# Altium PCB BLE-T3.PcbDoc (part 2 of 3)
Units mm, origin at the board's own origin, x right, y up, seen from the top; angles counter-clockwise.
Board outline 284.81 x 94.3 mm, 2 copper layers (Component Side, Bottom Layer), stack 1.571 mm thick; 182 components, 112 nets, 814 pads, 190 vias.
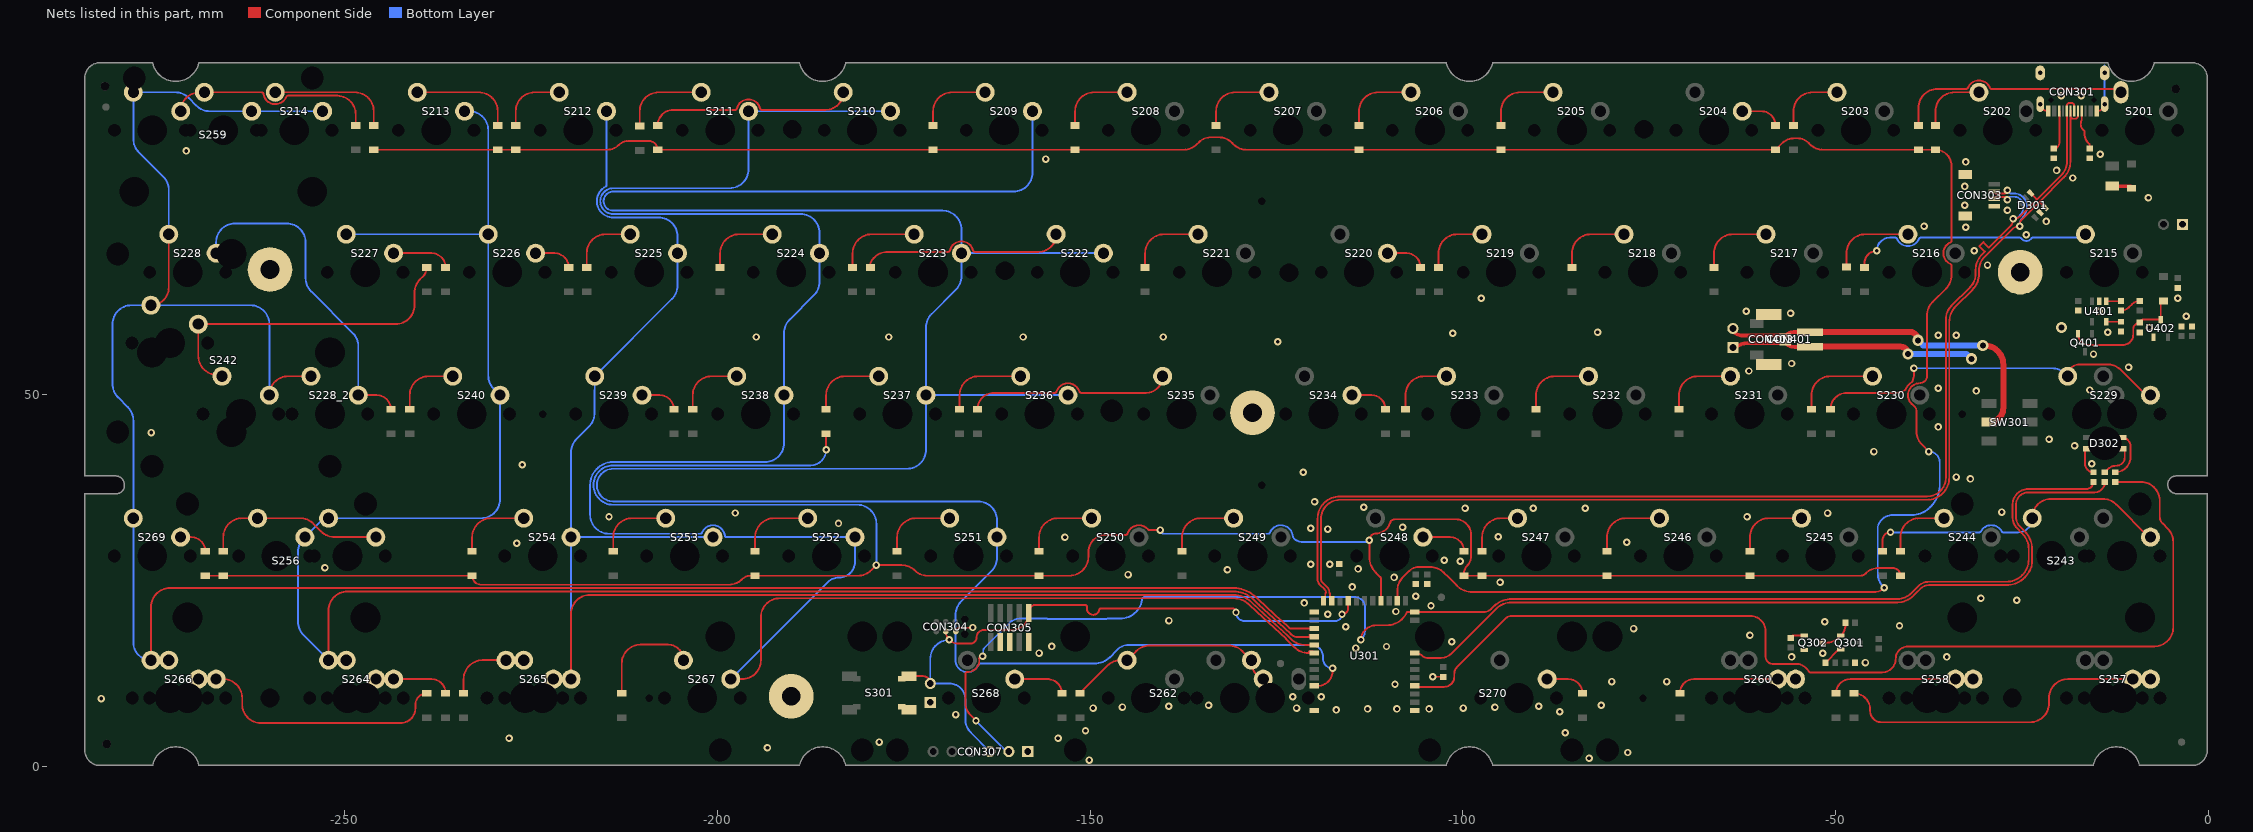
[diagram p2: the nets of this part, all layers, seen from the top]

## Via types
v1: diameter 1, hole 0.5, Component Side to Bottom Layer, tented both sides, 183 vias
v2: diameter 1.5, hole 0.8, Component Side to Bottom Layer, tented both sides, 5 vias
v3: diameter 1.5, hole 0.75, Component Side to Bottom Layer, tented both sides, 2 vias

## Nets (pads, with @x,y where several pads share a name; then routed paths per layer and width w, separated by ;. In a path a pad name is that pad's centre, name@x,y a point inside that pad or via, vN(x,y) a via of type N, cw(c..) or ccw(c..) an arc to the next point about the centre after c; other vN are vias at no path point) (continued)
col7: S209.2 S222.2 S223.2 S236.2 S237.2 S251.2 U301.34 | length 369.9
  Component Side w0.254: U301.34@-119.93,10.85 -119.452,10.85 ccw(c-119.452,12.827) v1@-117.475,12.827
  Bottom Layer w0.254: S209.2@-157.74,87.955 -157.74,79.711 cw(c-160.28,79.711) -160.28,77.171 -214,77.171 ccw(c-214,75.89) -214,74.609 -169.805,74.609 cw(c-169.805,72.069) -167.265,72.069 S223.2@-167.265,68.905 ; S236.2@-152.977,49.855 S237.2@-172.027,49.855 ; S222.2@-148.215,68.905 S223.2@-167.265,68.905 ; -128.464,16.344 cw(c-128.475,16.597) -128.475,16.343 -144.838,16.343 ccw(c-144.838,14.257) -146.313,15.732 -146.336,15.709 ccw(c-146.156,15.529) -146.365,15.674 ccw(c-144.673,13.78) -146.469,15.576 -147.326,14.719 cw(c-149.444,16.835) -149.444,13.841 -164.76,13.841 ccw(c-164.761,13.587) -164.995,13.684 cw(c-166.471,14.295) -168.054,14.507 -168.054,20.378 cw(c-165.514,20.378) -167.31,22.174 -163.246,26.238 ccw(c-165.042,28.034) -162.502,28.034 S251.2@-162.502,30.805 -162.502,33.061 ccw(c-165.042,33.061) -165.042,35.601 -214,35.601 cw(c-214,37.79) -214,39.979 -181.483,39.979 -174.567,39.979 ccw(c-174.567,42.519) -174.566,39.979 ccw(c-174.567,42.519) -173.408,40.259 ccw(c-174.567,42.519) -172.027,42.519 S237.2@-172.027,49.855 ; -128.463,16.344 cw(c-128.363,14.295) -128.264,16.344 ccw(c-128.251,16.597) -128.262,16.344 ; -128.261,16.343 ccw(c-128.251,16.597) -128.251,16.343 -126.238,16.343 -120.356,16.343 cw(c-120.356,14.732) -118.745,14.732 -118.745,14.478 ccw(c-117.475,14.478) v1(-117.475,13.208) ; S237.2@-172.027,49.855 -172.027,58.949 cw(c-169.487,58.949) -171.284,60.745 -168.009,64.02 ccw(c-169.805,65.816) -167.265,65.816 S223.2@-167.265,68.905
col8: S210.2 S211.2 S224.2 S238.2 S252.2 S267.2 U301.30 | length 299.7
  Component Side w0.254: S267.2@-198.221,11.755 -196.723,11.755 ccw(c-196.723,14.295) -194.183,14.295 -194.183,20.066 cw(c-191.643,20.066) -191.643,22.606 -131.1,22.606 cw(c-131.1,22.352) -131.095,22.606 -130.72,22.6 cw(c-130.767,19.606) -128.953,21.988 cw(c-130.767,19.606) -128.728,21.798 -127.667,20.814 -123.715,17.155 cw(c-126.056,14.624) -123.616,17.06 -122.55,15.994 ccw(c-120.754,17.79) -120.754,15.25 U301.30@-119.93,15.25 -120.153,15.473 -120.629,15.473
  Bottom Layer w0.254: S267.2@-198.221,11.755 -185.236,24.74 cw(c-183.642,23.145) -183.642,25.4 ccw(c-183.642,27.49) -181.552,27.49 S252.2@-181.552,30.805 -198.769,30.805 cw(c-198.769,31.059) -199.02,31.024 ccw(c-200.602,30.805) -202.078,31.416 cw(c-202.312,31.513) -202.312,31.259 -204.724,31.259 -214.552,31.259 cw(c-214.552,33.799) -217.092,33.799 -217.092,37.603 ccw(c-217.346,37.604) -217.092,37.618 cw(c-214,37.79) -217.047,38.344 cw(c-214,37.79) -217.047,38.345 cw(c-214,37.79) -216.427,39.714 cw(c-214,37.79) -216.426,39.716 cw(c-214,37.79) -215.241,40.628 ccw(c-215.343,40.86) -215.239,40.628 ccw(c-215.343,40.86) -215.232,40.632 cw(c-214.122,38.347) -214.122,40.887 -213.614,40.887 -210.185,40.887 -193.617,40.887 ccw(c-193.617,43.427) -191.077,43.427 S238.2@-191.077,49.855 -191.077,58.187 cw(c-188.537,58.187) -190.334,59.983 -187.059,63.258 ccw(c-188.855,65.054) -186.315,65.054 S224.2@-186.315,68.905 -186.315,71.615 ccw(c-188.855,71.615) -188.855,74.155 -214,74.155 cw(c-214,75.89) -214,77.625 -198.38,77.625 ccw(c-198.38,80.165) -195.84,80.165 S211.2@-195.84,87.955 S210.2@-176.79,87.955
col9: S212.2 S225.2 S239.2 S253.2 S254.2 S265.1 U301.29 | length 222.5
  Component Side w0.254: S265.1@-219.652,11.755 -219.652,20.52 cw(c-217.112,20.52) -217.112,23.06 -131.1,23.06 cw(c-131.1,22.352) -131.087,23.06 -130.712,23.054 cw(c-130.767,19.606) -129.184,22.669 cw(c-130.767,19.606) -128.42,22.132 -125.705,19.616 -124.056,18.089 -123.407,17.489 cw(c-126.056,14.624) -123.295,17.381 -123.008,17.094 ccw(c-121.212,18.89) -121.212,16.35 U301.29@-119.93,16.35 U301.29@-119.971,16.391
  Bottom Layer w0.254: S265.1@-219.652,11.755 S254.2@-219.652,30.805 ; S212.2@-214.89,87.955 -214.89,78.05 cw(c-215.144,78.049) -215.025,77.824 ccw(c-214,75.89) -214,73.701 -207.905,73.701 cw(c-207.905,71.161) -205.365,71.161 S225.2@-205.365,68.905 -205.365,64.56 cw(c-207.905,64.56) -206.109,62.764 S239.2@-216.477,52.395 -216.52,48.895 -216.52,47.422 cw(c-219.06,47.422) -216.543,47.087 cw(c-219.06,47.422) -217.264,45.626 -218.908,43.982 ccw(c-217.112,42.186) -219.652,42.186 S254.2@-219.652,30.805 ; S253.2@-200.602,30.805 S254.2@-219.652,30.805
col10: S213.2 S226.2 S227.2 S240.2 S256.2 S264.2 U301.28 | length 264.1
  Component Side w0.254: S264.2@-252.19,14.295 -252.19,20.974 cw(c-249.65,20.974) -249.65,23.514 -130.484,23.514 cw(c-130.484,23.26) -130.439,23.51 -130.096,23.45 cw(c-130.767,19.606) -128.112,22.466 -127.351,21.76 -124.707,19.311 ccw(c-124.526,19.489) -124.698,19.302 -123.1,17.823 cw(c-126.056,14.624) -122.974,17.702 ccw(c-122.256,18.419) -122.256,17.405 -120.04,17.405 ccw(c-120.04,17.56) U301.28@-119.93,17.45 -120.33,17.45 U301.28@-120.553,17.673
  Bottom Layer w0.254: S264.2@-252.19,14.295 -255.542,17.647 cw(c-253.746,19.443) -256.286,19.443 -256.286,28.864 cw(c-253.746,28.864) -255.542,30.66 -255.397,30.805 -253.306,32.896 cw(c-252.222,31.812) -252.222,33.345 -231.717,33.345 ccw(c-231.717,35.885) -229.177,35.885 S240.2@-229.177,49.855 -230.021,50.699 cw(c-228.225,52.495) -230.765,52.495 S226.2@-230.765,71.445 ; S227.2@-249.815,71.445 S226.2@-230.765,71.445 ; S213.2@-233.94,87.955 -233.305,87.955 cw(c-233.305,85.415) -230.765,85.415 S226.2@-230.765,71.445
col11: S214.2 S228.2 S228_2.2 S242.2 S259.2 S266.2 S269.2 U301.27 | length 313.5
  Component Side w0.254: S242.2@-276.02,61.925 ccw(c-276.02,64.318) -273.627,64.318 S228.2@-273.627,71.445 ; S266.2@-276.008,14.295 -276.008,21.428 cw(c-273.468,21.428) -273.468,23.968 -130.484,23.968 cw(c-130.484,23.26) -130.361,23.957 -130.019,23.897 cw(c-130.767,19.606) -128.691,23.436 cw(c-130.767,19.606) -127.803,22.798 -127.423,22.446 -125.31,20.489 -125.301,20.48 -124.399,19.644 cw(c-124.707,19.311) -124.389,19.635 ccw(c-124.211,19.816) -124.384,19.631 -123.289,18.617 ccw(c-123.117,18.804) -123.117,18.55 U301.27@-119.93,18.55 ; S242.2@-260.14,49.855 cw(c-257.6,49.855) -257.6,52.395 S228_2.2@-254.552,52.395
  Bottom Layer w0.254: S259.2@-279.146,89.739 S259.2@-278.39,90.495 ; S266.2@-276.008,14.295 cw(c-276.008,16.677) -278.39,16.677 S269.2@-278.39,33.345 -278.39,41.015 -278.384,41.021 -278.384,46.446 ccw(c-280.924,46.446) -279.128,48.242 -280.434,49.548 cw(c-278.638,51.344) -280.797,50.006 cw(c-278.638,51.344) -281.178,51.344 -281.178,59.38 cw(c-278.638,59.38) -278.638,61.92 -262.68,61.92 cw(c-262.68,59.38) -260.14,59.38 S242.2@-260.14,49.855 ; S228.2@-273.627,71.445 -273.627,77.376 ccw(c-276.167,77.376) -273.669,77.835 ccw(c-276.167,77.376) -274.371,79.172 -277.64,82.441 cw(c-275.844,84.237) -278.384,84.237 S259.2@-278.384,90.495 -272.776,90.495 cw(c-272.776,87.955) -270.98,89.751 -269.928,88.699 ccw(c-268.132,90.495) -268.132,87.955 S259.2@-262.509,87.955 S214.2@-252.99,87.955
D_N: CON301.A7 CON301.B7 CON303.2 D301.3 U301.23 | length 167.3
  Component Side w0.254: U301.23@-117.58,22.25 cw(c-117.042,22.788) -117.803,22.788 -117.803,23.117 ccw(c-118.157,23.117) -117.907,23.368 -117.907,23.371 ccw(c-118.942,23.371) -118.21,24.103 -118.863,24.756 cw(c-118.473,25.146) -119.024,25.146 -119.024,33.274 cw(c-116.484,33.274) -117.278,35.687 cw(c-116.484,33.274) -116.484,35.814 -37.719,35.814 ccw(c-37.719,38.811) -34.722,38.811 -34.722,59.668 cw(c-31.725,59.668) -33.844,61.787 -31.605,64.026 ccw(c-33.724,66.145) -30.727,66.145 -30.727,66.634 cw(c-28.187,66.634) -29.983,68.43 -26.337,72.076 cw(c-25.273,71.012) v1(-25.273,72.517) -25.273,72.765 cw(c-24.366,72.765) -25.008,73.405 ; CON303.2@-28.702,77.184 ccw(c-28.431,77.184) -28.431,76.913 -27.354,76.913 ccw(c-27.354,77.343) v1(-26.924,77.343) ; -25.007,73.406 -22.6,75.813 ; D301.3@-21.975,75.134 -22.562,75.722 cw(c-22.471,75.813) -22.6,75.813 ; CON301.B7@-17.45,88 -17.473,87.265 cw(c-17.8,87.275) -17.8,86.948 -18.1,86.948 cw(c-18.1,87.275) -18.427,87.265 CON301.A7@-18.45,88 ccw(c-18.398,87.948) -18.471,87.948 -18.471,81.182 cw(c-21.466,81.182) -19.347,79.066 cw(c-21.466,81.182) -19.348,79.065 -22.6,75.813
  Bottom Layer w0.254: v1(-26.924,77.343) ccw(c-26.518,77.343) -26.518,76.937 -26.06,76.937 cw(c-26.06,75.184) -24.308,75.184 cw(c-26.605,75.184) -24.981,73.56 ccw(c-24.274,72.854) -25.273,72.854 v1(-25.273,72.517)
D_P: CON301.A6 CON301.B6 CON303.3 D301.4 U301.24 | length 168.3
  Component Side w0.254: U301.24@-118.68,22.25 ccw(c-119.218,22.788) -118.457,22.788 -118.457,23.143 cw(c-118.139,23.143) -118.364,23.368 ccw(c-118.949,23.368) -118.535,23.782 -119.188,24.434 cw(c-118.478,25.144) -119.482,25.144 -119.482,33.274 cw(c-116.484,33.274) -117.348,36.144 cw(c-116.484,33.274) -116.484,36.271 -37.719,36.271 ccw(c-37.719,38.811) -35.179,38.811 -35.179,60.046 cw(c-32.639,60.046) -34.435,61.843 -31.928,64.349 ccw(c-33.724,66.145) -31.184,66.145 -31.184,66.634 cw(c-28.187,66.634) -30.307,68.753 -30.035,69.025 -29.946,69.114 -30.673,69.842 -30.135,70.381 -29.407,69.653 -26.733,72.326 -26.479,72.581 ; CON303.3@-28.702,76.184 cw(c-28.431,76.184) -28.431,76.455 -27.306,76.455 cw(c-27.306,76.073) v1(-26.924,76.073) ; -26.482,72.583 ccw(c-27.254,73.355) -26.162,73.355 v1(-26.162,73.533) ccw(c-26.162,75.066) -25.078,73.982 -22.987,76.073 ; D301.4@-23.672,76.831 -23.039,76.198 cw(c-23.164,76.073) -22.987,76.073 ; CON301.A6@-17.95,88 -17.973,88.735 ccw(c-18.3,88.725) -18.3,89.052 -18.6,89.052 ccw(c-18.6,88.725) -18.927,88.735 CON301.B6@-18.95,88 cw(c-19.002,87.948) -18.929,87.948 -18.929,81.184 cw(c-21.469,81.184) -19.673,79.387 -22.987,76.073
  Bottom Layer w0.254: v1(-26.924,76.073) cw(c-26.518,76.073) -26.518,76.479 -26.06,76.479 cw(c-26.06,75.184) -24.765,75.184 cw(c-26.605,75.184) -25.304,73.883 -25.4,73.787 cw(c-26.013,74.4) -26.013,73.533 v1(-26.162,73.533)
GND: C301.1 C302.1 C303.1 C307.1 C402.1 C403.1 C404.1 C406.1 CON301.A1B12 CON301.B1A12 CON301.S1 CON302.1 CON303.4 CON303.5 CON304.5 CON305.3 CON305.5 CON305.9 CON306.1 CON307.1 CON401.2 CON401.3 CON402.1 CON403.2 D301.2 pad.@-25.2,66.365 pad.@-128.212,47.5 pad.@-190.119,9.45 pad.@-260.05,66.715 Q302.2 R301.2 R302.2 R307.2 R402.2 R405.2 S301.1 U301.1 U301.25 U301.37 U401.2 U402.1 | length 46.2
  Component Side w0.203: CON304.5@-168.021,18.161 cw(c-167.504,18.161) -167.504,18.678 v1(-165.74,18.678)
  Component Side w0.254: v1(-104.013,12.065) -102.616,12.065 C307.1@-102.616,12.05 ; CON301.S1@-22.52,88.915 ccw(c-21.605,88.915) -21.605,88 CON301.B1A12@-21.45,88 ; CON301.A1B12@-14.95,88 -14.795,88 ccw(c-14.795,88.915) CON301.S1@-13.88,88.915
  Component Side w0.5: CON402.1@-63.754,55.88 -63.533,56.101 cw(c-61.737,54.305) -61.737,56.845 CON403.2@-56.704,56.845 ccw(c-55.449,58.1) -55.449,56.325 CON401.2@-53.428,56.325
  Component Side w0.8: CON401.2@-54.825,56.356 -41.243,56.356 cw(c-41.243,55.372) v2(-40.259,55.372)
  Bottom Layer w0.254: CON301.S1@-13.88,89.915 -13.88,94.095
  Bottom Layer w0.8: v2(-40.259,55.372) -32.385,55.372 v2(-31.75,54.737) v2@-31.623,54.61
  other v1: -150.114,0.889 -83.058,1.143 -77.851,1.905 -193.3,2.539 -178.308,3.302 -227.971,3.809 -154.305,3.81 -86.233,4.572 -150.622,4.826 -168.026,6.994 -86.995,7.366 -116.967,7.62 -112.776,7.747 -108.839,7.747 -104.521,7.747 -149.606,7.874 -122.301,7.874 -99.949,7.874 -145.669,8.001 -95.69,7.99 -139.446,8.128 -89.789,8.128 -134.112,8.255 -81.407,8.255 -282.708,9.143 -122.809,9.398 -118.999,9.398 -109.098,11.058 -80.01,11.43 -72.644,11.43 -45.974,13.97 -55.88,14.732 -35.052,14.732 -51.689,15.24 -156.85,15.249 -114.367,15.925 -110.236,16.129 -155.157,16.144 -101.473,16.764 -61.468,17.653 -77.089,18.542 -115.697,18.796 -41.402,18.923 -51.44,19.44 -139.426,19.614 -118.11,20.447 -108.966,20.828 -104.267,21.59 -121.285,21.971 -25.654,22.352 -30.48,22.606 -106.299,22.86 -114.835,24.126 -94.996,24.765 -109.22,25.4 -144.907,25.781 -131.577,26.425 -114.046,26.543 -252.683,26.691 -120.396,27.178 -117.856,27.178 -100.33,27.559 -102.489,27.686 -226.949,29.972 -77.983,30.108 -153.379,30.771 -95.25,30.861 -118.115,31.886 -120.401,32.013 -108.077,32.131 -183.769,32.639 -61.849,33.528 -214.562,33.554 -51.054,34.036 -197.617,34.045 -27.686,34.172 -99.695,34.671 -90.551,34.671 -83.566,34.671 -113.289,34.807 -119.888,35.56 -31.882,38.617 -33.782,38.862 -121.412,39.497 -226.187,40.513 -15.621,40.64 -44.831,42.291 -17.907,43.053 -21.336,43.942 -275.977,44.83 -36.195,45.593 -31.115,50.419 -15.875,50.546 -36.195,50.8 -61.6,53.095 -10.668,53.594 -55.88,54.102 -15.367,55.372 -124.841,57.023 -194.818,57.658 -177.038,57.658 -159.004,57.658 -140.208,57.658 -36.195,57.912 -33.782,57.912 -101.346,58.166 -81.915,58.293 -13.462,58.293 -7.874,58.928 -2.921,60.452 -56.012,60.842 -14.605,61.087 -61.981,61.096 -97.536,62.865 -4.064,62.865 -29.591,67.31 -31.369,69.215 -24.384,71.374 -32.512,72.39 -38.1,72.517 -21.722,73.161 -26.924,74.676 -32.644,75.32 -8.001,76.327 -32.644,77.86 -18.161,78.994 -20.32,80.01 -32.512,81.153 -155.956,81.534 -14.478,82.169 -271.286,82.621 -19.685,90.043 -17.018,90.043
  other v2: -19.685,58.928
LED1: CON307.2 R310.2 U301.13 | length 192.4
  Component Side w0.254: v1@-165.227,6.096 -166.007,6.876 cw(c-164.211,8.672) -166.751,8.672 -166.751,12.487 cw(c-166.501,12.444) -166.496,12.698 ccw(c-166.471,14.295) -164.888,14.509 cw(c-164.637,14.543) -164.662,14.796 cw(c-164.43,12.487) v1(-164.43,14.808) ; v1(-113.665,17.018) cw(c-111.706,17.018) -113.356,18.074 cw(c-113.143,17.936) -113.322,18.116 -113.072,18.366 cw(c-111.597,16.891) -111.597,18.977 -110.22,18.977 ccw(c-110.22,21.971) -109.074,19.205 ccw(c-110.22,21.971) -108.181,19.778 ccw(c-110.22,21.971) -107.486,20.75 U301.13@-106.43,20.75 -97.198,20.75 ccw(c-97.198,22.165) -96.198,21.164 -95.858,21.504 cw(c-93.42,19.066) -95.584,21.75 cw(c-93.42,19.066) -93.741,22.499 cw(c-93.42,19.066) -93.42,22.514 -41.657,22.514 ; -41.656,22.514 ccw(c-41.656,25.068) -39.849,23.263 -39.112,23.999 -38.904,24.208 cw(c-37.429,22.733) -37.429,24.819 -27.051,24.819 ccw(c-27.051,27.813) -25.298,25.386 ccw(c-27.051,27.813) -24.58,26.122 ccw(c-27.051,27.813) -24.057,27.809 -24.057,28.351 -24.057,29.174 ccw(c-27.051,29.174) -24.692,31.017 ccw(c-27.051,29.174) -24.935,31.292 -24.97,31.327 -25.607,31.964 cw(c-24.13,33.437) -26.029,32.573 cw(c-24.13,33.437) -26.216,33.437 -26.216,35.179 cw(c-24.13,35.179) -25.722,36.526 cw(c-24.13,35.179) -24.13,37.265 -16.314,37.265 ccw(c-16.314,38.212) R310.2@-15.367,38.212
  Bottom Layer w0.254: v1(-165.319,6.172) -161.371,2.223 ccw(c-160.909,2.685) CON307.2@-160.909,2.032 ; v1@-164.338,14.808 -164.338,15.681 cw(c-164.084,15.681) -164.263,15.861 -160.869,19.255 cw(c-159.394,17.78) -159.394,19.866 -155.804,19.866 cw(c-155.803,19.612) -155.689,19.839 ccw(c-155.575,20.066) -155.575,19.812 -147.828,19.812 cw(c-147.671,19.612) -147.67,19.866 -145.992,19.866 ccw(c-145.992,22.86) -143.041,22.359 -143.04,22.361 ccw(c-145.992,22.86) -143.025,22.459 cw(c-142.774,22.425) -143.025,22.46 cw(c-142.774,22.425) -143.008,22.522 cw(c-142.612,22.359) -142.612,22.787 -121.439,22.787 ccw(c-121.439,23.041) -121.403,22.79 cw(c-121.285,21.971) -121.167,22.79 ccw(c-121.131,23.041) -121.131,22.787 -115.443,22.787 -114.554,22.787 cw(c-114.554,21.336) -113.859,22.61 cw(c-114.554,21.336) -113.215,21.894 cw(c-114.554,21.336) -113.103,21.336 -113.103,18.375 cw(c-115.022,18.375) v1(-113.665,17.018)
LED2: R311.2 U301.8 | length 110.3
  Component Side w0.254: U301.8@-106.43,15.25 -106.354,15.25 cw(c-106.354,13.915) -105.845,15.149 cw(c-106.354,13.915) -105.41,14.859 ccw(c-104.797,15.472) -104.797,14.605 -102.915,14.605 ccw(c-102.98,16.69) -101.506,15.214 -101.237,15.483 -98.746,17.974 -95.538,21.182 cw(c-93.42,19.066) -93.42,22.06 -41.656,22.06 ccw(c-41.656,25.068) -39.527,22.943 -39.159,23.31 -38.583,23.887 cw(c-37.429,22.733) -37.429,24.365 -27.051,24.365 ccw(c-27.051,27.813) -24.04,26.133 cw(c-23.818,26.01) -24.029,26.15 ccw(c-26.143,27.559) -23.603,27.555 ccw(c-26.143,27.559) -23.603,27.559 -23.603,29.174 ccw(c-27.051,29.174) -24.263,31.203 ccw(c-27.051,29.174) -24.615,31.614 -25.286,32.285 cw(c-24.13,33.437) -25.724,33.088 cw(c-24.13,33.437) -25.762,33.437 -25.762,35.179 cw(c-24.13,35.179) -25.73,35.499 cw(c-24.13,35.179) -24.784,36.674 cw(c-24.13,35.179) -24.13,36.811 -15.244,36.811 ccw(c-15.244,38.212) R311.2@-13.843,38.212
LED3: R312.1 U301.4 | length 140.7
  Component Side w0.254: U301.4@-106.43,10.85 ccw(c-106.302,10.85) -106.302,10.722 -102.489,10.722 ccw(c-102.489,12.065) -101.242,11.566 ; -101.35,11.353 ccw(c-102.489,12.065) -101.146,12.065 -101.146,12.446 cw(c-99.794,12.446) -100.75,13.402 -95.239,18.912 -94.77,19.381 -94.252,19.9 cw(c-93.42,19.066) -93.42,20.244 -61.446,20.244 cw(c-61.446,18.161) -59.363,18.161 -59.363,14.732 ccw(c-58.437,14.732) -58.885,13.921 ccw(c-58.437,14.732) -58.437,13.806 -57.774,13.806 ccw(c-57.774,14.06) -57.769,13.806 cw(c-57.727,11.755) -57.685,13.806 ccw(c-57.68,14.06) -57.68,13.806 -55.626,13.806 -55.393,13.806 ccw(c-55.393,14.06) -55.388,13.806 cw(c-55.346,11.755) -53.574,12.789 ccw(c-53.355,12.917) -53.355,12.663 -46.101,12.663 -43.725,12.663 ccw(c-43.725,14.478) -41.91,14.478 cw(c-40.24,14.478) -40.24,16.148 -7.211,16.148 ccw(c-7.211,18.688) -4.671,18.688 -4.671,30.162 ccw(c-7.211,30.162) -5.415,31.958 -6.096,32.639 cw(c-5.176,33.559) -6.477,33.559 -6.477,35.672 ccw(c-9.017,35.672) -6.48,35.803 ccw(c-9.017,35.672) -9.017,38.212 R312.1@-12.446,38.212
NetC402_2: C402.2 D402.2 Q401.2 U402.3 | length 16.9
  Component Side w0.254: Q401.2@-17.46,58.096 ccw(c-15.937,58.096) -15.937,56.573 -11.458,56.573 ccw(c-11.458,58.001) -10.03,58.001 -10.03,58.039 -10.03,58.692 cw(c-9.144,58.692) C402.2@-9.144,59.578 cw(c-8.721,59.578) -8.721,60.001 U402.3@-6.35,60.001 -6.35,62.119 cw(c-5.969,62.119) D402.2@-5.969,62.5
NetCON301_A5: CON301.A5 R302.1 | length 5.4
  Component Side w0.254: CON301.A5@-16.95,88 -16.95,86.806 cw(c-17.204,86.805) -16.975,86.696 ccw(c-16.002,86.233) -16.974,85.77 ccw(c-16.002,86.233) -16.674,85.392 cw(c-16.833,85.193) -16.579,85.192 -16.579,84.963 ccw(c-14.732,84.963) -15.96,83.583 cw(c-16.129,83.394) -15.875,83.393 R302.1@-15.875,82.946
NetCON301_B5: CON301.B5 R301.1 | length 5.5
  Component Side w0.254: R301.1@-20.701,82.946 ccw(c-20.701,83.697) -19.95,83.697 CON301.B5@-19.95,88
NetCON401_1: CON401.1 CON402.2 CON403.1 SW301.2 | length 49.2
  Component Side w0.5: CON402.2@-63.754,58.42 ccw(c-62.368,59.806) -62.368,57.846 -56.703,57.846 cw(c-55.545,56.686) -55.545,58.325 CON401.1@-53.428,58.325
  Component Side w0.8: CON401.1@-54.825,58.356 -40.068,58.356 cw(c-40.068,57.213) v2(-38.925,57.213) ; v2(-30.226,56.515) -30.01,56.515 cw(c-30.01,53.975) -27.47,53.975 -27.47,48.134 cw(c-29.376,48.134) SW301.2@-29.376,46.228
  Bottom Layer w0.8: v2(-38.925,57.213) -38.227,56.515 v2(-30.226,56.515)
NetD201_1: D201.1 S201.1 | length 32
  Component Side w0.254: D201.1@-38.862,86.05 -38.862,88.392 cw(c-36.322,88.392) -36.322,90.932 -34.368,90.932 ccw(c-34.368,91.186) -34.342,90.933 cw(c-34.036,87.955) -34.036,90.949 -32.45,90.949 ccw(c-32.45,91.203) -32.216,91.106 cw(c-30.74,90.495) -29.258,91.091 ccw(c-29.023,91.186) -29.023,90.932 -21.972,90.932 ; -21.971,90.932 -12.745,90.932 cw(c-12.745,89.44) S201.1@-11.69,90.495
NetD202_1: D202.1 S202.1 | length 9.2
  Component Side w0.254: D202.1@-36.576,86.05 -36.576,87.955 cw(c-34.036,87.955) -34.036,90.495 S202.1@-30.74,90.495
NetD203_1: D203.1 S203.1 | length 9.2
  Component Side w0.254: D203.1@-55.626,86.05 -55.626,87.955 cw(c-53.086,87.955) -53.086,90.495 S203.1@-49.79,90.495
NetD204_1: D204.1 S204.1 | length 5.5
  Component Side w0.254: S204.1@-62.49,87.955 -59.944,87.955 cw(c-59.944,86.05) D204.1@-58.039,86.05
NetD205_1: D205.1 S205.1 | length 10.3
  Component Side w0.254: D205.1@-94.869,86.05 -94.869,87.955 cw(c-92.329,87.955) -92.329,90.495 S205.1@-87.89,90.495
NetD206_1: D206.1 S206.1 | length 10.3
  Component Side w0.254: D206.1@-113.919,86.05 -113.919,87.955 cw(c-111.379,87.955) -111.379,90.495 S206.1@-106.94,90.495
NetD207_1: D207.1 S207.1 | length 10.5
  Component Side w0.254: D207.1@-133.096,86.05 -133.096,87.955 cw(c-130.556,87.955) -130.556,90.495 S207.1@-125.99,90.495
NetD208_1: D208.1 S208.1 | length 14.3
  Component Side w0.254: D208.1@-152.019,86.05 -152.019,87.955 ; S208.1@-145.04,90.495 -149.479,90.495 ; -152.019,87.955 cw(c-149.479,87.955) -149.479,90.495 ; -152.019,87.955 cw(c-149.479,87.955) -149.479,90.495
NetD209_1: D209.1 S209.1 | length 10.3
  Component Side w0.254: D209.1@-171.069,86.05 -171.069,87.955 cw(c-168.529,87.955) -168.529,90.495 S209.1@-164.09,90.495
NetD210_1: D210.1 S210.1 | length 28.8
  Component Side w0.254: D210.1@-208.026,86.05 cw(c-205.938,86.05) -205.938,88.138 -202.057,88.138 -197.639,88.138 ccw(c-197.639,88.392) -197.392,88.332 cw(c-195.84,87.955) -194.288,88.332 ccw(c-194.041,88.392) -194.041,88.138 -185.497,88.138 ccw(c-185.497,90.495) S210.1@-183.14,90.495
NetD211_1: D211.1 S211.1 | length 11.7
  Component Side w0.254: D211.1@-210.439,85.963 -210.439,87.955 cw(c-207.899,87.955) -207.899,90.495 S211.1@-202.19,90.495
NetD212_1: D212.1 S212.1 | length 9.2
  Component Side w0.254: D212.1@-227.076,86.05 -227.076,87.955 cw(c-224.536,87.955) -224.536,90.495 S212.1@-221.24,90.495
NetD213_1: D213.1 S213.1 | length 14.2
  Component Side w0.254: S213.1@-240.29,90.495 -232.029,90.495 cw(c-232.029,87.955) -229.489,87.955 D213.1@-229.489,86.05
NetD214_1: D214.1 S214.1 | length 16.6
  Component Side w0.254: S214.1@-259.34,90.495 -248.666,90.495 cw(c-248.666,87.955) -246.126,87.955 D214.1@-246.126,86.05
NetD215_1: D215.1 S215.1 | length 33.7
  Component Side w0.254: D215.1@-46.101,67 -46.101,67.564 cw(c-44.45,67.564) v1(-44.45,69.215)
  Bottom Layer w0.254: v1(-44.45,69.215) cw(c-42.672,69.215) -42.672,70.993 -41.977,70.993 cw(c-41.976,70.739) -41.741,70.836 ccw(c-40.265,71.445) -38.789,70.836 cw(c-38.554,70.739) -38.553,70.993 -25.26,70.993 cw(c-25.259,70.739) -25.053,70.888 ccw(c-24.384,71.374) -23.715,70.888 cw(c-23.509,70.739) -23.508,70.993 -16.905,70.993 ccw(c-16.905,71.445) S215.1@-16.452,71.445
NetD216_1: D216.1 S216.1 | length 11.6
  Component Side w0.254: D216.1@-48.514,67.04 -48.514,68.905 cw(c-45.974,68.905) -45.974,71.445 S216.1@-40.265,71.445
NetD217_1: D217.1 S217.1 | length 10.3
  Component Side w0.254: D217.1@-66.294,67 -66.294,68.905 cw(c-63.754,68.905) -63.754,71.445 S217.1@-59.315,71.445
NetD218_1: D218.1 S218.1 | length 10.3
  Component Side w0.254: D218.1@-85.344,67 -85.344,68.905 cw(c-82.804,68.905) -82.804,71.445 S218.1@-78.365,71.445
NetD219_1: D219.1 S219.1 | length 9.2
  Component Side w0.254: D219.1@-103.251,67 -103.251,68.905 cw(c-100.711,68.905) -100.711,71.445 S219.1@-97.415,71.445
NetD220_1: D220.1 S220.1 | length 5.5
  Component Side w0.254: S220.1@-110.115,68.905 -107.569,68.905 cw(c-107.569,67) D220.1@-105.664,67
NetD221_1: D221.1 S221.1 | length 10.5
  Component Side w0.254: D221.1@-142.621,67 -142.621,68.905 cw(c-140.081,68.905) -140.081,71.445 S221.1@-135.515,71.445
NetD222_1: D222.1 S222.1 | length 28.7
  Component Side w0.254: D222.1@-179.651,67.069 cw(c-177.165,66.548) -177.165,69.088 -173.355,69.088 -169.064,69.088 ccw(c-169.064,69.342) -168.817,69.282 cw(c-167.265,68.905) -165.713,69.282 ccw(c-165.466,69.342) -165.466,69.088 -156.922,69.088 ccw(c-156.922,71.445) S222.1@-154.565,71.445
NetD223_1: D223.1 S223.1 | length 11.6
  Component Side w0.254: D223.1@-181.864,67 -181.864,68.905 cw(c-179.324,68.905) -179.324,71.445 S223.1@-173.615,71.445
NetD224_1: D224.1 S224.1 | length 10.3
  Component Side w0.254: D224.1@-199.644,67 -199.644,68.905 cw(c-197.104,68.905) -197.104,71.445 S224.1@-192.665,71.445
NetD225_1: D225.1 S225.1 | length 9.2
  Component Side w0.254: D225.1@-217.551,67 -217.551,68.905 cw(c-215.011,68.905) -215.011,71.445 S225.1@-211.715,71.445
NetD226_1: D226.1 S226.1 | length 5.5
  Component Side w0.254: S226.1@-224.415,68.905 -221.869,68.905 cw(c-221.869,67) D226.1@-219.964,67
NetD227_1: D227.1 S227.1 | length 8.1
  Component Side w0.254: S227.1@-243.465,68.905 -238.379,68.905 cw(c-238.379,67) D227.1@-236.474,67
NetD228_1: D228.1 S228.1 S228_2.1 | length 44.1
  Component Side w0.254: S228_2.1@-248.202,49.855 -245.745,49.855 cw(c-245.745,47.95) D228.1@-243.84,47.95
  Bottom Layer w0.254: S228.1@-267.277,69.867 -267.277,70.358 cw(c-264.737,70.358) -264.737,72.898 -257.81,72.898 cw(c-257.81,70.358) -255.27,70.358 -255.27,65.568 ccw(c-252.73,65.568) -254.526,63.772 -248.946,58.192 cw(c-250.742,56.396) -248.202,56.396 S228_2.1@-248.202,49.855
NetD229_1: D229.1 S229.1 | length 49.1
  Component Side w0.254: D229.1@-50.673,47.95 cw(c-48.458,47.95) -48.458,50.165 -42.001,50.165 ccw(c-42.001,52.705) -40.663,50.546 ccw(c-40.797,50.762) -40.563,50.662 cw(c-38.677,49.855) -39.763,51.595 ccw(c-39.897,51.811) -39.664,51.71 ccw(c-42.001,52.705) -39.461,52.705 v1(-39.461,53.467) ; S229.1@-18.834,52.395 cw(c-17.237,52.395) -17.237,53.992 -13.515,53.992 cw(c-13.515,51.452) -12.903,53.917 cw(c-13.515,51.452) -11.719,53.248 -8.646,50.175 ccw(c-7.874,50.946) S229.1@-7.874,49.855
  Bottom Layer w0.254: v1(-39.461,53.467) -20.958,53.467 cw(c-20.958,50.927) -19.162,52.723 S229.1@-18.834,52.395
NetD230_1: D230.1 S230.1 | length 11.5
  Component Side w0.254: D230.1@-53.213,47.95 -53.213,49.855 cw(c-50.673,49.855) -50.673,52.395 S230.1@-45.027,52.395
NetD231_1: D231.1 S231.1 | length 10.3
  Component Side w0.254: D231.1@-70.993,47.95 -70.993,49.855 cw(c-68.453,49.855) -68.453,52.395 S231.1@-64.077,52.395
NetD232_1: D232.1 S232.1 | length 10.4
  Component Side w0.254: D232.1@-90.17,47.95 -90.17,49.855 cw(c-87.63,49.855) -87.63,52.395 S232.1@-83.127,52.395
NetD233_1: D233.1 S233.1 | length 8.9
  Component Side w0.254: D233.1@-107.696,47.95 -107.696,49.855 cw(c-105.156,49.855) -105.156,52.395 S233.1@-102.177,52.395
NetD234_1: D234.1 S234.1 | length 5.6
  Component Side w0.254: S234.1@-114.877,49.855 -112.268,49.855 cw(c-112.268,47.95) D234.1@-110.363,47.95
NetD235_1: D235.1 S235.1 | length 28.5
  Component Side w0.254: D235.1@-165.1,47.95 -165.1,48.006 cw(c-162.941,48.006) -162.941,50.165 -159.258,50.165 -154.74,50.165 ccw(c-154.74,50.419) -154.499,50.342 cw(c-152.977,49.855) -151.456,50.342 ccw(c-151.215,50.419) -151.215,50.165 -142.508,50.165 ccw(c-142.508,52.395) S235.1@-140.277,52.395
NetD236_1: D236.1 S236.1 | length 11.5
  Component Side w0.254: D236.1@-167.513,47.95 -167.513,49.855 cw(c-164.973,49.855) -164.973,52.395 S236.1@-159.327,52.395
NetD237_1: D237.1 S237.1 | length 10.4
  Component Side w0.254: D237.1@-185.42,47.95 -185.42,49.855 cw(c-182.88,49.855) -182.88,52.395 S237.1@-178.377,52.395
NetD238_1: D238.1 S238.1 | length 9.3
  Component Side w0.254: D238.1@-203.327,47.95 -203.327,49.855 cw(c-200.787,49.855) -200.787,52.395 S238.1@-197.427,52.395
NetD239_1: D239.1 S239.1 | length 5.3
  Component Side w0.254: S239.1@-210.127,49.855 -207.772,49.855 cw(c-207.772,47.95) D239.1@-205.867,47.95
NetD240_1: D240.1 S240.1 | length 9.1
  Component Side w0.254: D240.1@-241.3,47.95 -241.3,49.855 cw(c-238.76,49.855) -238.76,52.395 S240.1@-235.527,52.395
NetD242_1: D242.1 S242.1 | length 44.9
  Component Side w0.254: S242.1@-266.49,52.578 -267.13,52.578 cw(c-267.13,55.118) -269.67,55.118 S242.1@-269.67,59.385 -243.205,59.385 ccw(c-243.205,61.925) -240.665,61.925 -240.665,63.591 cw(c-238.125,63.591) -239.921,65.387 -239.513,65.795 ccw(c-240.718,67) D242.1@-239.014,67
NetD243_1: D243.1 S243.1 | length 43.5
  Component Side w0.254: D243.1@-43.688,28.9 -43.688,30.353 cw(c-42.545,30.353) v1@-42.545,31.496 ; S243.1@-23.596,33.345 -23.596,33.401 cw(c-21.056,33.401) -21.056,35.941 -14.133,35.941 cw(c-14.133,33.401) -12.337,35.197 -7.945,30.805 S243.1@-7.721,30.805
  Bottom Layer w0.254: v1(-42.611,31.445) -30.704,31.445 ccw(c-30.704,31.699) -30.481,31.576 cw(c-29.083,30.805) -27.685,31.576 ccw(c-27.462,31.699) -27.462,31.445 -25.496,31.445 ccw(c-25.496,33.345) S243.1@-23.596,33.345
NetD244_1: D244.1 S244.1 | length 9.2
  Component Side w0.254: D244.1@-41.275,28.9 -41.275,30.805 cw(c-38.735,30.805) -38.735,33.345 S244.1@-35.433,33.345
NetD245_1: D245.1 S245.1 | length 10.3
  Component Side w0.254: D245.1@-61.468,28.9 -61.468,30.805 cw(c-58.928,30.805) -58.928,33.345 S245.1@-54.552,33.345
NetD246_1: D246.1 S246.1 | length 10.4
  Component Side w0.254: D246.1@-80.645,28.9 -80.645,30.805 cw(c-78.105,30.805) -78.105,33.345 S246.1@-73.602,33.345
NetD247_1: D247.1 S247.1 | length 8.1
  Component Side w0.254: D247.1@-97.409,28.9 -97.409,30.805 cw(c-94.869,30.805) -94.869,33.345 S247.1@-92.652,33.345
NetD248_1: D248.1 S248.1 | length 6.6
  Component Side w0.254: S248.1@-105.352,30.805 -101.727,30.805 cw(c-101.727,28.9) D248.1@-99.822,28.9
NetD249_1: D249.1 S249.1 | length 10.3
  Component Side w0.254: D249.1@-137.668,28.9 -137.668,30.805 cw(c-135.128,30.805) -135.128,33.345 S249.1@-130.752,33.345
NetD250_1: D250.1 S250.1 | length 10.4
  Component Side w0.254: D250.1@-156.845,28.9 -156.845,30.805 cw(c-154.305,30.805) -154.305,33.345 S250.1@-149.802,33.345
NetD251_1: D251.1 S251.1 | length 10.4
  Component Side w0.254: D251.1@-175.895,28.9 -175.895,30.805 cw(c-173.355,30.805) -173.355,33.345 S251.1@-168.852,33.345
NetD252_1: D252.1 S252.1 | length 10.4
  Component Side w0.254: D252.1@-194.945,28.9 -194.945,30.805 cw(c-192.405,30.805) -192.405,33.345 S252.1@-187.902,33.345
NetD253_1: D253.1 S253.1 | length 10.4
  Component Side w0.254: D253.1@-213.995,28.9 -213.995,30.805 cw(c-211.455,30.805) -211.455,33.345 S253.1@-206.952,33.345
NetD254_1: D254.1 S254.1 | length 10.3
  Component Side w0.254: D254.1@-232.918,28.9 -232.918,30.805 cw(c-230.378,30.805) -230.378,33.345 S254.1@-226.002,33.345
NetD256_1: D256.1 S256.1 | length 24.6
  Component Side w0.254: D256.1@-266.319,28.9 -266.319,30.805 cw(c-263.779,30.805) -263.779,33.345 S256.1@-261.747,33.345 ; S256.1@-261.72,33.345 -256.012,33.345 cw(c-256.012,30.805) -254.216,32.601 -253.164,31.549 ccw(c-251.368,33.345) -251.368,30.805 S256.1@-245.845,30.805
NetD257_1: D257.1 S257.1 | length 43.3
  Component Side w0.254: D257.1@-47.498,9.85 cw(c-47.498,7.691) -45.339,7.691 -45.339,7.493 ccw(c-43.815,7.493) -43.815,5.969 -23.876,5.969 ccw(c-23.876,8.509) -21.336,8.509 -21.336,9.215 cw(c-18.796,9.215) -21.113,10.256 cw(c-18.796,9.215) -19.837,11.532 cw(c-18.796,9.215) -18.796,11.755 S257.1@-10.102,11.755
NetD258_1: D258.1 S258.1 | length 19.5
  Component Side w0.254: D258.1@-49.911,9.85 cw(c-48.006,9.85) -48.006,11.755 S258.1@-33.909,11.755 S258.1@-31.528,11.755
NetD259_1: D259.1 S259.1 | length 30.1
  Component Side w0.254: S259.1@-272.034,87.955 cw(c-269.494,87.955) -269.494,90.495 S259.1@-268.859,90.495 -261.175,90.495 cw(c-261.173,90.241) -260.922,90.276 ccw(c-259.34,90.495) -258.889,88.963 ccw(c-259.34,90.495) -257.864,89.884 cw(c-257.63,89.787) -257.63,90.041 -250.983,90.041 cw(c-250.983,89.787) -250.974,90.041 cw(c-251.079,87.503) -248.539,87.503 D259.1@-248.539,86.05
  Bottom Layer w0.254: S259.1@-272.04,87.955 S259.1@-271.349,88.646
NetD260_1: D260.1 S260.1 | length 15
  Component Side w0.254: D260.1@-70.866,9.85 cw(c-68.961,9.85) -68.961,11.755 S260.1@-57.727,11.755 S260.1@-58.291,12.319
NetD262_1: D262.1 S262.2 | length 29.1
  Component Side w0.254: D262.1@-151.384,9.85 -147.683,13.551 cw(c-145.887,11.755) -145.887,14.295 S262.2@-145.039,14.295 ; S262.2@-145.039,14.453 -144.882,14.453 -143.822,15.512 cw(c-142.026,13.716) -142.026,16.256 -131.376,16.256 cw(c-131.376,13.716) -129.58,15.512 S262.2@-128.363,14.295 -128.363,14.077 ccw(c-125.823,14.077) -127.619,12.281 S262.2@-127.093,11.755
NetD264_1: D264.1 S264.1 | length 8.1
  Component Side w0.254: S264.1@-243.459,11.755 -238.379,11.755 cw(c-238.379,9.85) D264.1@-236.474,9.85
NetD265_1: D265.1 S265.2 | length 9
  Component Side w0.254: D265.1@-234.061,9.85 -234.061,11.755 cw(c-231.521,11.755) -231.521,14.295 S265.2@-228.383,14.295
NetD266_1: D266.1 S266.1 | length 34.5
  Component Side w0.254: S266.1@-267.277,11.755 -266.319,11.755 cw(c-266.319,9.215) -263.779,9.215 -263.779,8.382 ccw(c-261.239,8.382) -261.239,5.842 -242.57,5.842 ccw(c-242.57,7.874) -240.538,7.874 -240.538,8.326 cw(c-239.014,8.326) D266.1@-239.014,9.85
NetD267_1: D267.1 S267.1 | length 14.9
  Component Side w0.254: D267.1@-212.852,9.85 -212.852,13.843 cw(c-210.312,13.843) -210.312,16.383 -206.659,16.383 cw(c-206.659,14.295) S267.1@-204.571,14.295
NetD268_1: D268.1 S268.1 | length 7.4
  Component Side w0.254: S268.1@-160.121,11.755 -155.702,11.755 cw(c-155.702,9.85) -155.368,11.725 cw(c-155.702,9.85) D268.1@-153.797,9.85
NetD269_1: D269.1 S269.1 | length 4.4
  Component Side w0.254: S269.1@-272.04,30.805 -270.637,30.805 cw(c-270.637,28.9) D269.1@-268.732,28.9
NetD270_1: D270.1 S270.1 | length 6
  Component Side w0.254: S270.1@-88.773,11.665 cw(c-88.683,11.665) S270.1@-88.683,11.755 -85.852,11.755 cw(c-85.852,9.85) D270.1@-83.947,9.85
NetD302_1: D302.1 R310.1 | length 3.6
  Component Side w0.254: D302.1@-16.51,42.418 -16.51,40.655 ccw(c-15.367,40.655) R310.1@-15.367,39.512
NetD302_2: D302.2 R311.1 | length 4.8
  Component Side w0.254: R311.1@-13.843,39.512 -13.429,39.926 cw(c-12.319,38.817) -12.319,40.386 ccw(c-12.319,41.529) -11.176,41.529 -11.176,42.291 ccw(c-11.557,42.291) D302.2@-11.402,42.639
NetD302_3: D302.3 R312.2 | length 6.3
  Component Side w0.254: R312.2@-12.446,39.512 ccw(c-12.446,41.544) -10.414,41.544 -10.414,43.029 ccw(c-11.557,43.029) D302.3@-11.388,44.159
NetD303_1: D303.1 F301.1 | length 2.7
  Component Side w0.5: F301.1@-12.827,77.9 -10.572,77.9 cw(c-10.572,77.615) D303.1@-10.287,77.615
NetD401_2: D401.2 R411.2 | length 2.9
  Component Side w0.254: R411.2@-11.684,61.199 ccw(c-11.684,62.696) -10.626,61.637 -10.202,62.061 cw(c-9.144,61.002) D401.2@-9.144,62.499
NetQ301_1: Q301.1 Q302.3 R308.2 | length 4.7
  Component Side w0.254: Q302.3@-51.759,16.637 -51.276,16.637 ccw(c-51.276,19.177) -49.48,17.381 Q301.1@-49.259,17.602 ; Q301.1@-49.259,17.602 ccw(c-50.715,19.058) -48.656,19.058 R308.2@-48.656,19.304
NetQ301_2: Q301.2 R306.1 | length 2.8
  Component Side w0.254: R306.1@-51.323,13.97 -49.591,15.702 Q301.2@-49.259,15.702
NetQ302_1: Q302.1 R309.2 | length 2
  Component Side w0.254: R309.2@-56.007,17.287 cw(c-55.707,17.287) -55.707,17.587 Q302.1@-54.159,17.587
NetR402_1: R402.1 U401.5 | length 2
  Component Side w0.254: U401.5@-13.655,59.712 -11.691,59.712 R402.1@-11.684,59.705
NetR411_1: R411.1 U401.1 | length 2
  Component Side w0.254: U401.1@-13.655,62.462 -11.721,62.462 R411.1@-11.684,62.499
P0.07: D201.2 D202.2 D204.2 D205.2 D206.2 D208.2 D209.2 D210.2 D212.2 D213.2 D214.2 U301.15 | length 353.6
  Component Side w0.254: D214.2@-246.126,82.78 D213.2@-229.489,82.78 D212.2@-227.076,82.78 -214.824,82.78 ccw(c-214.824,85.03) -213.233,83.439 cw(c-212.007,82.213) -212.007,83.947 -209.193,83.947 cw(c-209.193,82.78) D210.2@-208.026,82.78 D209.2@-171.069,82.78 D208.2@-152.019,82.78 -137.474,82.78 ccw(c-137.474,85.32) -135.678,83.524 -135.382,83.82 cw(c-133.849,82.287) -133.849,84.455 -132.751,84.455 cw(c-132.751,81.915) -130.955,83.711 -130.768,83.524 ccw(c-128.972,85.32) -128.972,82.78 D206.2@-113.919,82.78 D205.2@-94.869,82.78 D204.2@-58.039,82.78 -57.235,83.584 cw(c-55.439,81.788) -55.439,84.328 -55.127,84.328 cw(c-55.127,82.16) -53.594,83.693 -53.425,83.524 ccw(c-51.629,85.32) -51.629,82.78 D201.2@-38.862,82.78 D202.2@-36.576,82.78 cw(c-36.576,80.621) -34.417,80.621 -34.417,70.596 cw(c-34.671,70.595) -34.567,70.363 ccw(c-33.915,68.905) -34.567,67.447 cw(c-34.671,67.215) -34.417,67.214 -34.417,65.949 cw(c-36.957,65.949) -35.161,64.153 -36.975,62.339 ccw(c-35.179,60.543) -37.719,60.543 -37.719,52.377 cw(c-38.584,52.377) -38.584,51.512 -38.898,51.437 ccw(c-38.677,49.855) -39.769,48.689 -39.374,48.319 cw(c-39.996,47.697) -39.116,47.697 -39.116,44.994 ccw(c-36.576,44.994) -38.608,43.47 ccw(c-36.576,44.994) -38.372,43.198 v1(-37.465,42.291) ; U301.15@-108.78,22.25 -108.78,23.619 cw(c-106.24,23.619) -108.036,25.415 -107.175,26.276 cw(c-105.918,25.019) -105.918,26.797 -104.346,26.797 cw(c-104.346,24.257) -102.55,26.053 ccw(c-102.37,26.232) -102.546,26.049 -101.889,25.418 cw(c-103.961,23.256) -101.843,25.372 cw(c-102.343,24.871) -101.835,25.364 -100.823,24.326 ccw(c-98.679,26.416) -100.018,23.738 ccw(c-98.679,26.416) -98.679,23.422 -44.837,23.422 ccw(c-44.837,25.406) v1(-43.434,24.003)
  Bottom Layer w0.254: v1(-43.434,24.003) -43.579,24.148 cw(c-41.783,25.944) -44.323,25.944 -44.323,30.099 -44.323,32.141 cw(c-44.069,32.141) -44.315,32.202 cw(c-42.291,31.699) -43.8,33.139 cw(c-42.291,31.699) -42.291,33.785 -39.751,33.785 ccw(c-39.751,37.233) -37.103,35.024 ccw(c-40,37.79) -36.577,35.71 ccw(c-40,37.79) -36,37.982 -36,40.826 ccw(c-37.465,40.826) v1(-37.465,42.291)
P0.12: D237.2 D244.2 D245.2 D246.2 D247.2 D248.2 D250.2 D252.2 D254.2 D256.2 D269.2 U301.17 | length 339.3
  Component Side w0.254: D269.2@-268.732,25.63 D256.2@-266.319,25.63 D254.2@-232.918,25.63 ccw(c-231.71,25.63) -231.71,24.422 -198.471,24.422 ccw(c-198.471,26.894) -196.946,24.948 ccw(c-198.471,26.894) -196.724,25.145 ccw(c-198.471,26.894) -196.723,25.146 cw(c-195.555,23.978) -195.555,25.63 D252.2@-194.945,25.63 -181.162,25.63 ccw(c-181.162,28.17) -179.366,26.374 v1(-178.689,27.051) -175.296,27.051 cw(c-175.296,24.511) -173.5,26.307 -173.482,26.289 ccw(c-171.891,27.88) -171.891,25.63 D250.2@-156.845,25.63 -152.781,25.63 ccw(c-152.781,28.17) -150.241,28.17 -150.241,29.083 -150.216,29.108 cw(c-147.892,28.765) -148.234,31.09 cw(c-147.892,28.765) -147.892,31.115 -146.939,31.115 -145.215,31.115 ccw(c-145.215,31.369) -144.973,31.292 cw(c-143.452,30.805) -142.236,31.839 ; v1(-185.42,42.545) D237.2@-185.42,44.68 ; -144.499,32.011 cw(c-143.452,30.805) -142.236,31.839 ; v1(-140.589,31.75) -141.67,31.75 -142.042,31.75 cw(c-142.042,32.004) -142.235,31.838 cw(c-142.042,32.004) -142.236,31.839 ; U301.17@-110.98,22.25 -110.98,25.263 ccw(c-111.234,25.263) -111.055,25.443 -111.664,26.052 cw(c-109.547,28.169) -112.541,28.169 v1(-112.541,30.372) cw(c-111.601,30.372) -111.81,31.288 cw(c-111.755,31.041) -111.75,31.295 ccw(c-111.702,33.345) -111.43,31.312 ccw(c-111.702,33.345) -109.885,32.395 ccw(c-111.702,33.345) -109.712,32.85 cw(c-109.465,32.789) -109.641,32.972 cw(c-109.078,32.395) -109.078,33.201 -100.965,33.201 cw(c-100.965,31.115) -99.381,32.473 cw(c-100.965,31.115) -98.879,31.115 -98.879,28.281 cw(c-100.798,28.281) -99.071,27.444 cw(c-100.798,28.281) -99.441,26.924 ccw(c-98.521,26.004) -99.822,26.004 D248.2@-99.822,25.63 D247.2@-97.409,25.63 D246.2@-80.645,25.63 D245.2@-61.468,25.63 -46.645,25.63 ccw(c-46.645,26.579) -45.974,25.908 -45.956,25.926 cw(c-44.16,24.13) -44.16,26.67 -42.315,26.67 cw(c-42.315,25.63) D244.2@-41.275,25.63
  Bottom Layer w0.254: v1(-185.42,42.545) cw(c-187.532,42.545) -187.531,40.433 -189.738,40.433 -214,40.433 ccw(c-214,37.79) -214,35.147 -181.229,35.147 cw(c-181.229,32.607) -178.689,32.607 v1(-178.689,27.051) ; v1(-140.589,31.75) ccw(c-140.098,31.75) -140.098,31.259 -134.239,31.259 -129.667,31.259 -126.112,31.259 ccw(c-126.112,31.513) -125.878,31.416 cw(c-124.402,30.805) -122.965,31.502 cw(c-124.402,30.805) -122.965,31.5 cw(c-124.402,30.805) -122.81,30.927 ccw(c-122.557,30.946) -122.775,30.817 ccw(c-121.636,31.502) -122.286,30.342 ccw(c-121.636,31.502) -121.636,30.172 -112.741,30.172 ccw(c-112.741,30.372) v1(-112.541,30.372)
P0.18/RESET: CON302.2 CON304.3 CON305.10 CON307.3 S301.2 U301.21 | length 87.1
  Component Side w0.254: S301.2@-174.333,12.156 -172.43,12.156 cw(c-172.43,11.176) CON302.2@-171.45,11.176 ; CON304.3@-169.371,18.161 ccw(c-167.72,18.161) -167.72,16.51 -166.116,16.51 ccw(c-166.116,17.399) -165.227,17.399 cw(c-164.284,17.399) -164.284,18.342 -160.519,18.342 ccw(c-160.519,20.619) CON305.10@-158.242,20.619 cw(c-157.017,20.619) -157.674,21.653 cw(c-157.539,21.438) -157.537,21.692 -150.664,21.692 cw(c-150.662,21.438) -150.414,21.384 ccw(c-149.606,21.209) -148.797,21.037 cw(c-148.549,20.984) -148.548,21.238 -130.966,21.238 cw(c-130.966,20.701) v1(-130.429,20.701) ; v1(-116.205,20.447) ccw(c-116.205,21.272) -115.38,21.272 U301.21@-115.38,22.25
  Bottom Layer w0.254: v1(-168.91,17.018) ccw(c-168.91,14.478) -171.45,14.478 CON302.2@-171.45,11.176 -168.91,11.176 cw(c-168.91,9.017) -166.751,9.017 -166.751,6.386 ccw(c-164.211,6.386) -166.007,4.59 CON307.3@-163.449,2.032 ; v1(-130.429,20.701) ccw(c-129.286,20.701) -129.286,19.558 -117.094,19.558 ccw(c-117.094,20.447) v1(-116.205,20.447)